# KiCad board HW.ACIM-PSU.kicad_pcb
title: POWER FACTOR CORRECTION BOARD; date: 2024-02-20; rev: 0.0; company: TON DUC THANG UNIVERSITY; note: Schematic Designed by ...; note: PCB Designed by ...; note: Approved by ...
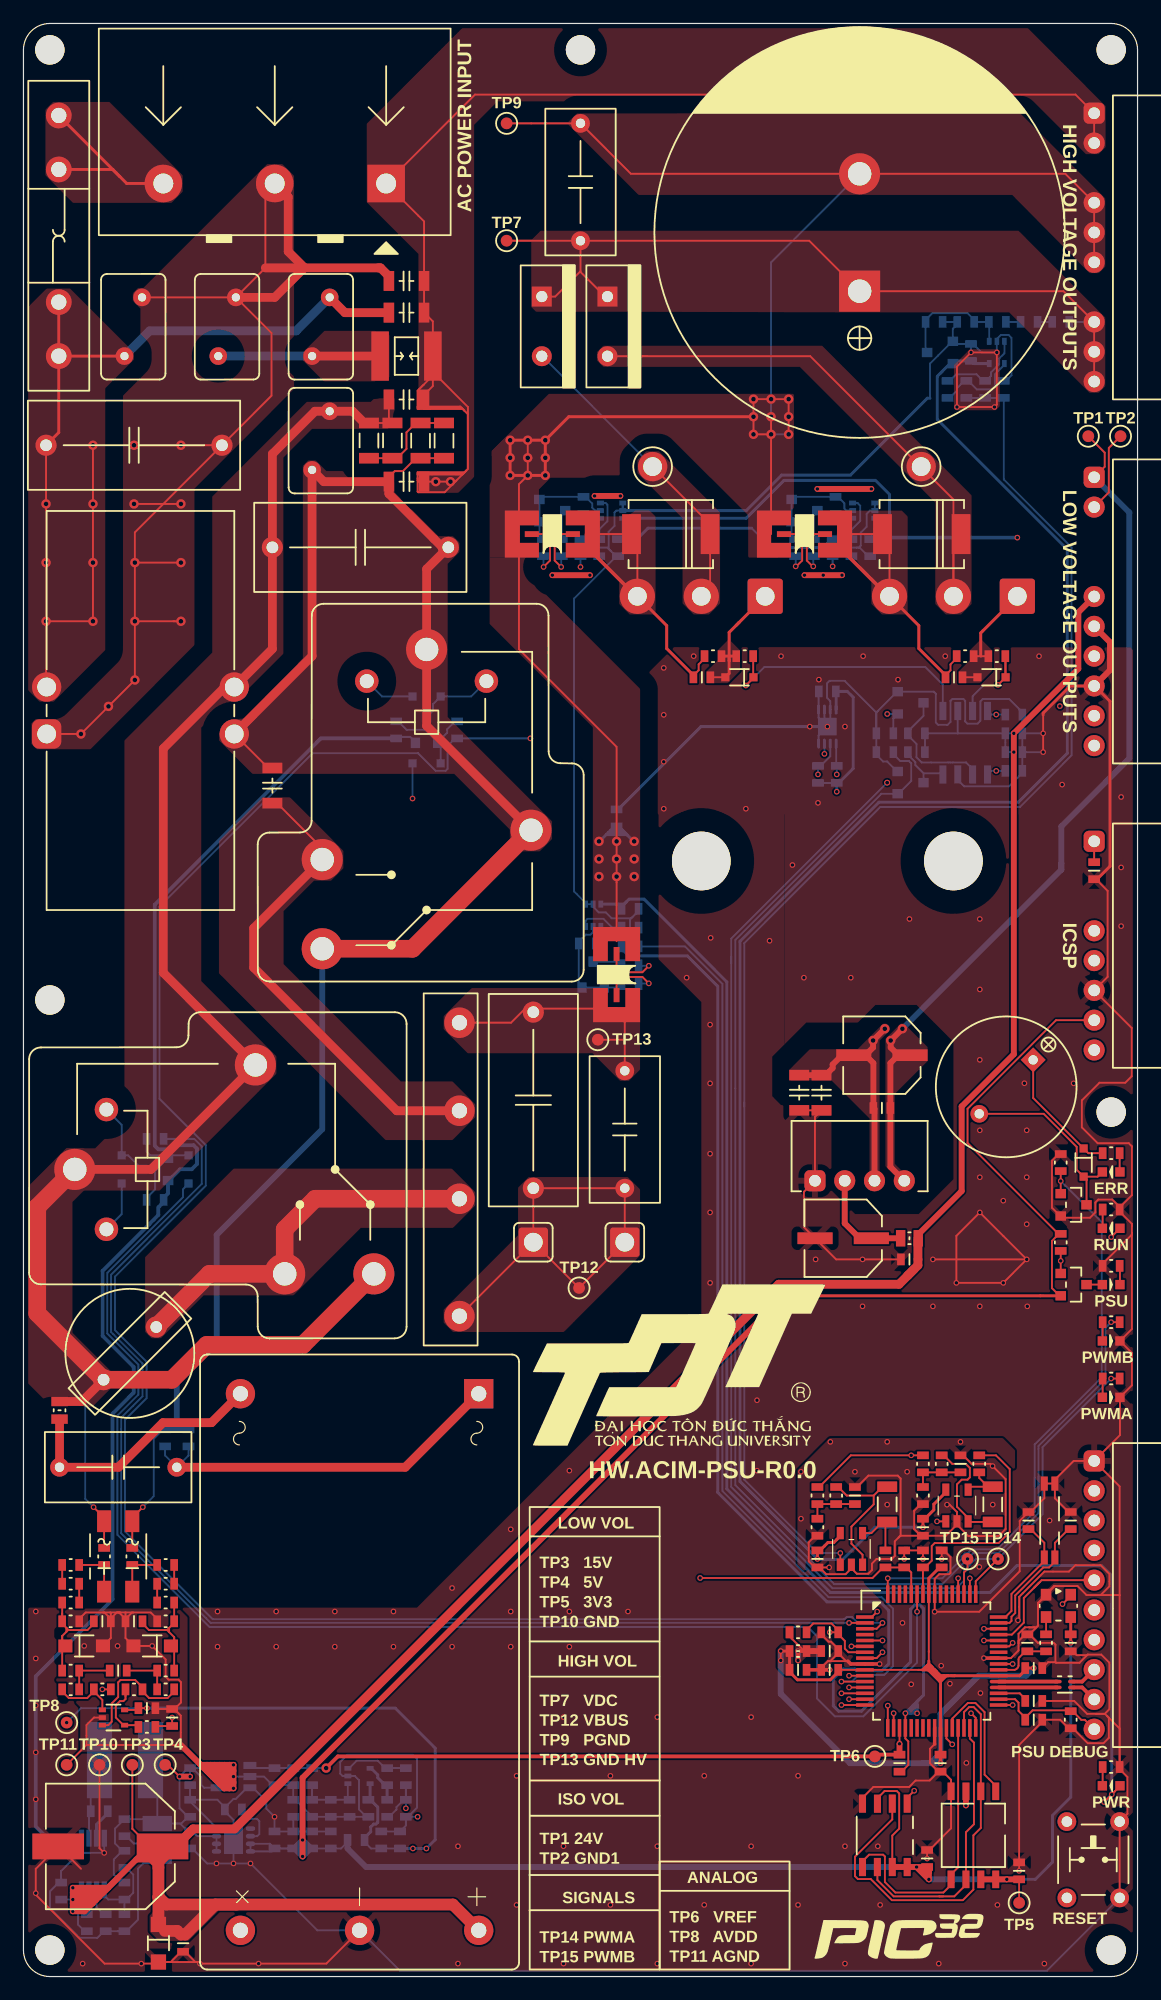
[diagram p0: board, top side]
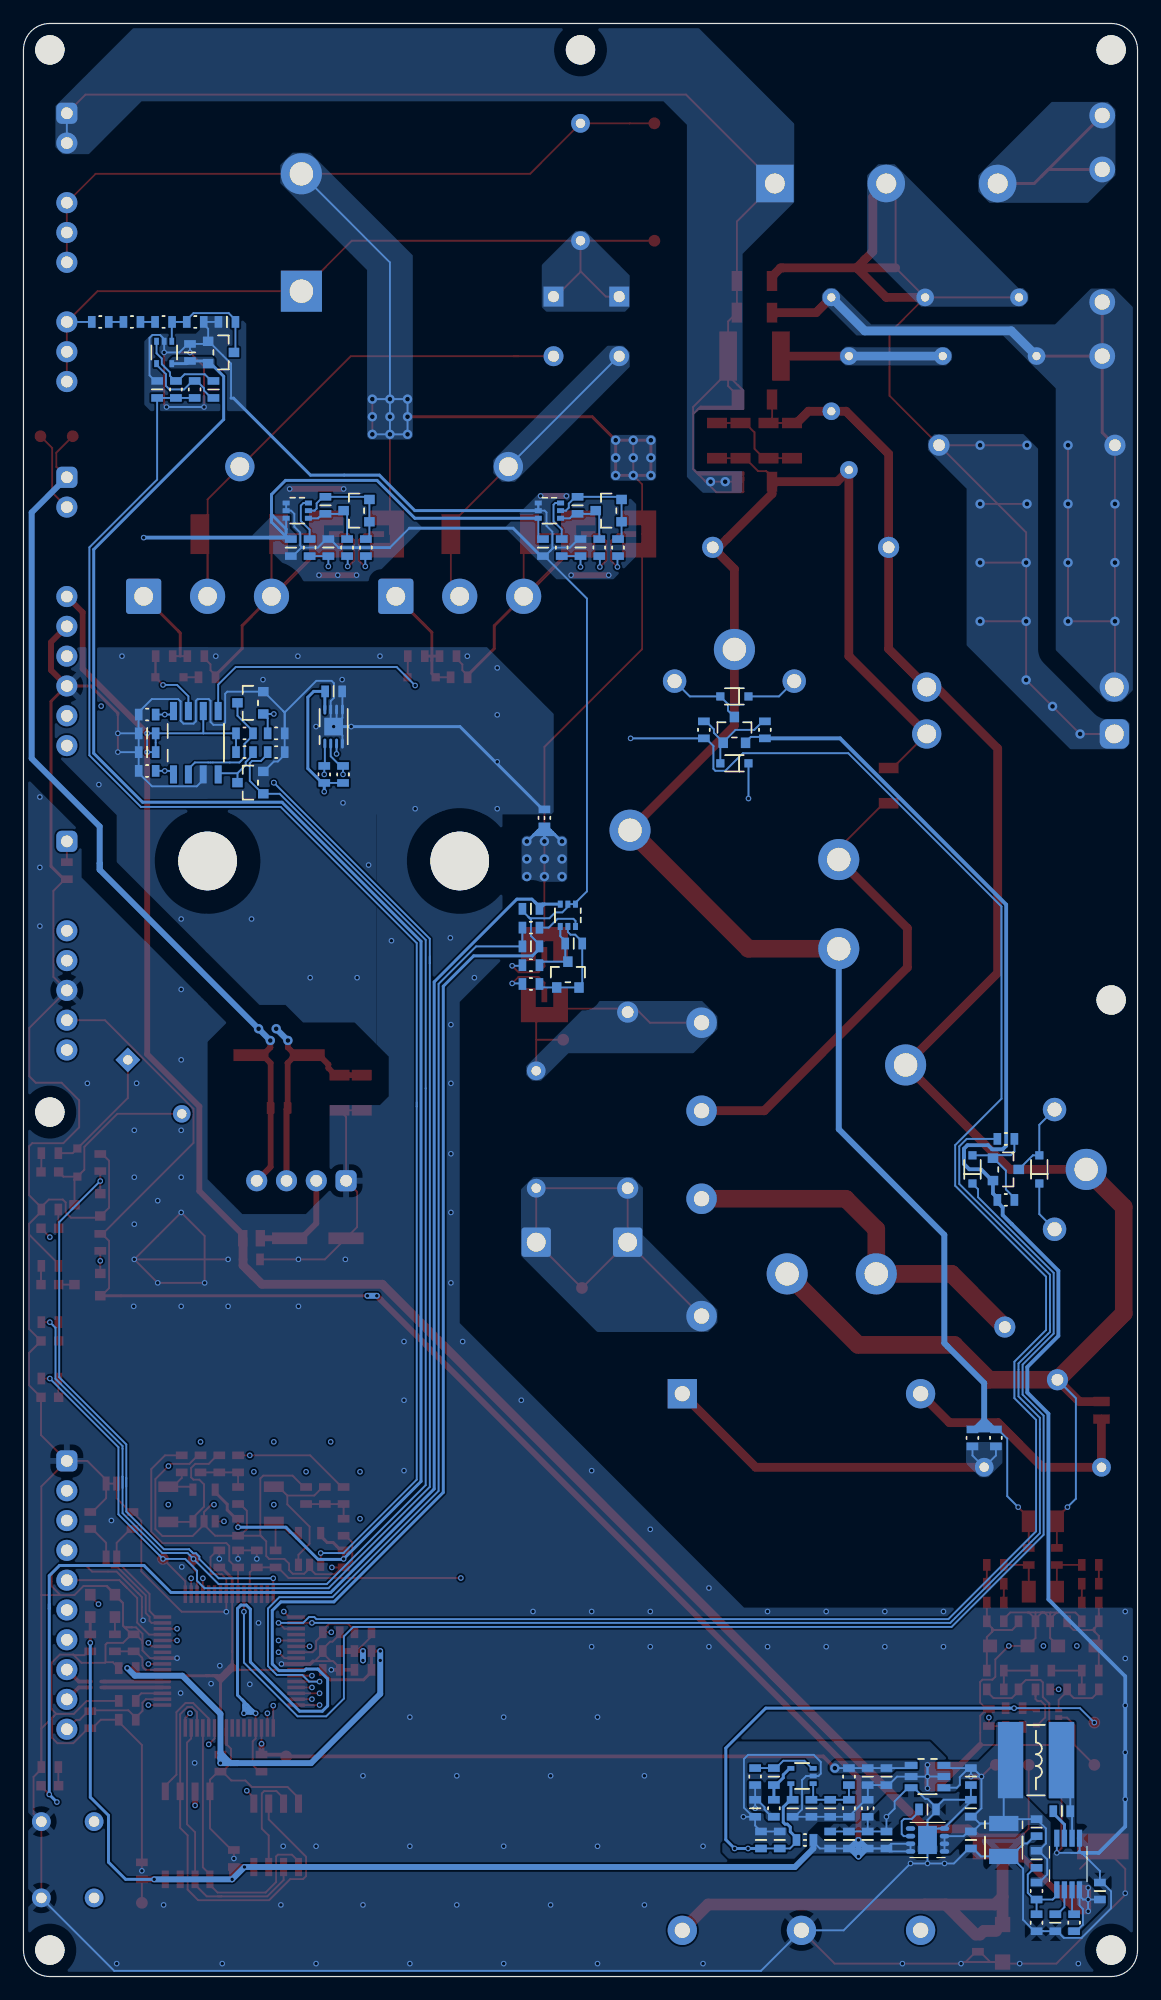
[diagram p1: board, bottom side, seen from below]

Outline 95 x 166.4 mm; copper layers: Top, In1.Cu, In2.Cu, Bottom. Coordinates in mm from the lower left corner of the outline.
Outline path: 0,164.15 0,2.25 arc(0.66,0.66) 2.25,0 92.75,0 arc(94.34,0.66) 95,2.25 95,164.15 arc(94.34,165.74) 92.75,166.4 2.25,166.4 arc(0.66,165.74) 0,164.15
Stack: Top 0.035mm / dielectric 0.1mm FR4 er 4.5 / In1.Cu 0.035mm / dielectric 1.24mm FR4 er 4.5 / In2.Cu 0.035mm / dielectric 0.1mm FR4 er 4.5 / Bottom 0.035mm

## Placement (name value [footprint] x y rotation side)
B1  220V/50W  [LAMP_6.35MM]  9.08 53.09 45 top
BR1  400V/10A  [GBJ25xx]  37.18 68.77 90 top
BR2  400V/0.5A  [MBF]  8.08 35.79 180 top  (not fitted)
BT1  RESET  [BUTTON_4P_6x6]  91.22 9.95 90 top  (not fitted)
BZ1  BUZZER  [AT-1224]  83.8 75.8 225 top  (not fitted)
C1  100nF/400V  [CAP_FILM_6.0x12.0x12.5-P10]  8.08 43.39 180 top
C2  1uF/400V  [ECWFE2W105]  9.43 130.47 180 top
C3  100pF/2kV  [CAP1206]  32.66 144.46 0 top
C4  100nF  [CAP0603]  13.61 2.83 90 top
C5  100pF/2kV  [CAP1206]  32.66 141.76 0 top
C6  470uF  [CAP_ELEC-10.3x10.3-DIA10]  7.41 11.08 180 top
C7  100pF/2kV  [CAP1206]  32.66 134.36 0 top
C8  10uF  [CAP0603]  7.01 4.58 90 bottom
C9  100nF  [CAP0603]  75.55 61.1 0 top
C10  47uF/35V  [CAP_ELEC-6.6x6.6-DIA6.3]  69.9 62.9 180 top
C11  1uF/400V  [ECWFE2W105]  28.73 121.77 180 top
C12  100pF/2kV  [CAP1206]  32.66 127.36 0 top
C13  100nF  [CAP0603]  6.46 14.08 0 bottom
C14  100pF/2kV  [CAP1206]  66.15 75.3 90 top
C15  100pF/2kV  [CAP1206]  68.05 75.3 90 top
C16  100nF  [CAP0603]  73.2 74 0 top
C17  100nF  [CAP0603]  8.61 12.69 90 bottom
C18  47uF/35V  [CAP_ELEC-6.6x6.6-DIA6.3]  73.2 78.5 180 top
C19  220uF/6.3V  [CAP1411]  11.41 11.63 270 bottom
C20  100nF  [CAP0603]  14.21 11.63 90 bottom  (not fitted)
C21  100pF/2kV  [CAP1206]  21.23 101.47 270 top  (not fitted)
C22  22pF  [CAP0603]  14.21 14.33 270 bottom  (not fitted)
C23  100nF  [CAP0603]  14.21 17.03 90 bottom  (not fitted)
C24  100nF  [CAP0603]  17.91 14.23 0 bottom  (not fitted)
C25  100nF  [CAP0603]  21.41 11.63 270 bottom  (not fitted)
C26  100nF  [CAP0603]  21.41 17.03 90 bottom  (not fitted)
C27  10uF  [CAP0603]  23.01 11.63 270 bottom  (not fitted)
C28  100nF/400V  [CAP_FILM_6.0x12.0x12.5-P10]  51.28 72.17 270 top
C29  10uF  [CAP0603]  23.01 17.03 90 bottom  (not fitted)
C30  3.3nF  [CAP0603]  24.61 11.63 270 bottom  (not fitted)
C31  22pF  [CAP0603]  26.21 11.63 270 bottom  (not fitted)
C32  3.3nF  [CAP0603]  8.61 9.98 90 bottom
C33  22pF  [CAP0603]  32.11 11.63 270 bottom  (not fitted)
C34  10uF  [CAP0603]  30.51 11.63 270 bottom  (not fitted)
C35  1uF/400V  [ECWFE2W105]  43.48 74.67 270 top
C36  1nF  [CAP0603]  57.85 110.69 0 top  (not fitted)
C37  100nF  [CAP0603]  68.55 109.49 0 bottom  (not fitted)
C38  100nF  [CAP0603]  3.21 7.28 270 bottom
C40  1nF  [CAP0603]  79.35 110.69 0 top  (not fitted)
C41  100nF  [CAP0603]  84.45 104.32 180 bottom  (not fitted)
C42  10uF  [CAP0603]  84.45 105.92 180 bottom  (not fitted)
C43  100nF/400V  [CAP_FILM_6.0x12.0x12.5-P10]  47.5 152.89 270 top
C44  680uF/450V  [ESMQ451VSN681MA50S]  71.3 148.59 90 top
C45  22pF  [CAP0603]  26.21 14.33 90 bottom  (not fitted)
C46  100nF  [CAP0603]  27.81 14.33 90 bottom  (not fitted)
C47  1nF  [CAP0603]  47.75 125.34 90 bottom  (not fitted)
C48  1nF  [CAP0603]  48.08 88.02 180 bottom  (not fitted)
C49  100nF  [CAP0603]  50.7 121.74 90 bottom  (not fitted)
C50  100nF  [CAP0603]  51.73 90.97 180 bottom  (not fitted)
C51  100nF  [CAP0603]  29.41 14.33 90 bottom  (not fitted)
C52  1nF  [CAP0603]  31.01 17.03 270 bottom  (not fitted)
C53  3.3nF  [CAP0603]  6.73 30.27 180 top  (not fitted)
C54  3.3nF  [CAP0603]  9.43 30.27 0 top  (not fitted)
C55  1uF  [CAP0603]  32.61 14.33 90 bottom  (not fitted)
C56  10nF  [CAP0603]  8.08 26.07 180 top  (not fitted)
C57  1nF  [CAP0603]  47.5 121.74 270 bottom  (not fitted)
C58  1nF  [CAP0603]  51.73 87.77 0 bottom  (not fitted)
C59  100nF  [CAP0603]  10.53 22.87 180 top  (not fitted)
C60  1nF  [CAP0603]  69.25 125.34 90 bottom  (not fitted)
C61  1nF  [CAP0603]  12.68 22.07 270 top  (not fitted)
C62  100nF  [CAP0603]  72.2 121.74 90 bottom  (not fitted)
C63  1nF  [CAP0603]  69 121.74 270 bottom  (not fitted)
C64  100nF  [CAP0603]  79.9 43.68 270 top  (not fitted)
C65  100nF  [CAP0603]  70.9 40.98 270 top  (not fitted)
C66  100nF  [CAP0603]  77.65 140.97 0 bottom  (not fitted)
C67  100nF  [CAP0603]  80.8 138.37 270 bottom  (not fitted)
C68  100nF  [CAP0603]  76.7 38.28 90 top  (not fitted)
C69  100nF  [CAP0603]  67.7 35.58 90 top  (not fitted)
C70  1nF  [CAP0603]  78.8 135.22 270 bottom  (not fitted)
C71  100nF  [CAP0603]  83.6 135.22 90 bottom  (not fitted)
C72  1nF  [CAP0603]  76.7 35.58 270 top  (not fitted)
C73  1nF  [CAP0603]  75.1 35.58 270 top  (not fitted)
C74  22pF  [CAP0603]  91.3 94.22 90 top  (not fitted)
C75  22pF  [CAP0603]  68.75 29.33 0 top  (not fitted)
C76  100nF  [CAP0603]  84.9 9 270 top  (not fitted)
C77  100nF  [CAP0603]  77.06 10.05 270 top  (not fitted)
C78  100nF  [CAP0603]  78.3 35.58 270 top  (not fitted)
C79  100nF  [CAP0603]  86.15 23.48 180 top  (not fitted)
C80  100nF  [CAP0603]  74.7 18.18 90 top  (not fitted)
C81  22pF  [CAP0603]  86.15 21.88 180 top  (not fitted)
C82  100nF  [CAP0603]  86.15 26.28 180 top  (not fitted)
C83  100nF  [CAP0603]  78.2 18.18 90 top  (not fitted)
C84  22pF  [CAP0603]  85.6 28.43 270 top  (not fitted)
C85  10uF  [CAP0603]  68.75 26.13 0 top  (not fitted)
C86  22pF  [CAP0603]  66.05 26.13 180 top  (not fitted)
C87  22pF  [CAP0603]  68.75 27.73 180 top  (not fitted)
C88  9pF  [CAP0603]  85.7 38.85 270 top  (not fitted)
C89  9pF  [CAP0603]  89.3 38.85 270 top  (not fitted)
C90  100nF  [CAP0603]  89.3 28.43 90 top  (not fitted)
D1  16V  [SOD-123FL_12]  11.51 2.83 270 top
D2  75V/150mA  [SOD-323]  34.38 103.37 0 bottom  (not fitted)
D3  75V/150mA  [SOD-323]  34.38 109.07 0 bottom  (not fitted)
D4  75V/150mA  [SOD-323]  14.08 68.77 90 bottom
D5  75V/150mA  [SOD-323]  8.38 68.77 90 bottom
D6  75V/150mA  [SOD-323]  61.05 110.69 180 top  (not fitted)
D7  5A/650V  [DO-214AB]  55.2 122.89 180 top  (not fitted)
D8  15A/600V  [TO-220]  44.2 140.59 270 top  (not fitted)
D9  75V/150mA  [SOD-323]  82.55 110.69 180 top  (not fitted)
D10  5A/650V  [DO-214AB]  76.6 122.89 180 top  (not fitted)
D11  15A/600V  [TO-220]  49.8 140.59 270 top  (not fitted)
D12  GP DIODE  [SOT23]  45.1 124.89 90 bottom  (not fitted)
D13  GP DIODE  [SOT23]  48.58 85.37 180 bottom  (not fitted)
D14  3V  [SOD-123]  5.18 28.17 0 top  (not fitted)
D15  3V  [SOD-123]  10.98 28.17 180 top  (not fitted)
D16  GP DIODE  [SOT23]  66.6 124.89 90 bottom  (not fitted)
D17  GP DIODE  [SOT23]  78.15 138.37 270 bottom  (not fitted)
D18  PSU  [LED0603]  92.75 58.95 180 top  (not fitted)
D19  75V/150mA  [SOD-323]  90.4 69.35 270 top  (not fitted)
D20  ERR  [LED0603]  92.75 68.55 0 top  (not fitted)
D21  RUN  [LED0603]  92.75 63.75 0 top  (not fitted)
D22  PWR  [LED0603]  92.75 16.25 0 top
D23  PWMA  [LED0603]  92.75 49.35 180 top  (not fitted)
D24  PWMB  [LED0603]  92.75 54.15 180 top  (not fitted)
F1  10A  [01000056Z]  3.01 148.31 270 top
FT1  4.5mH/10A  [ToroidCoil-3119-13-D1]  9.98 107.87 90 top
FT2  120R@100MHz  [FT0603]  23.01 14.33 270 bottom
FT3  120R@100MHz  [FT0603]  50.58 98.72 270 bottom
FT4  120R@100MHz  [FT0603]  28.36 11.63 0 bottom  (not fitted)
FT5  2x 120R@100MHz  [IND1210_4P]  88.8 24.88 0 top  (not fitted)
FT6  120R@100MHz  [FT0603]  66.05 27.73 180 top  (not fitted)
G1  300V  [GDT1812_3532]  32.66 138.06 180 top
G***  -  [LOGO]  55.9 52.08 0 top
G***#2  -  [LOGO]  74.67 3.5 0 top
J1  AC POWER INPUT  [TMB3_9.5]  21.43 152.77 180 top
J2  HIGH VOLTAGE OUTPUTS  [HDF1x10x2.54_TH_RA]  91.3 147.32 270 top
J3  ICSP  [HDM1x8x2.54_TH_RA]  91.3 87.83 270 top  (not fitted)
J4  LOW VOLTAGE OUTPUTS  [HDF1x10x2.54_TH_RA#2]  91.3 116.3 270 top
J5  PSU DEBUG  [HDM1x10x2.54_TH_RA]  91.3 32.5 270 top  (not fitted)
J6  L01  [PAD01-2516#3]  43.48 62.57 0 top
J7  L02  [PAD01-2516#2]  76.55 128.64 0 top
J8  L01  [PAD01-2516]  51.33 62.57 0 top
J9  L02  [PAD01-2516#2]  53.65 128.64 0 top
L1  4.7uH/100mA  [IND0805]  3.08 48.24 270 top
L2  4.7uH/100mA  [IND0805]  75.55 62.9 180 top
L3  22uH/1.5A  [IND6045]  8.66 18.44 270 bottom
M1  470V/1.2kA  [MOV5MM]  9.36 140.56 270 top
M2  470V/1.2kA  [MOV5MM]  17.36 140.56 90 top
M3  470V/1.2kA  [MOV5MM]  25.36 140.56 90 top
M4  470V/1.2kA  [MOV5MM]  25.36 130.86 90 top
MD1  15V/10W  [LD10-23BxxR2-RC]  28.66 26.79 270 top
MD2  DC-DC  [B1524S-1WR3]  71.3 67.8 0 top
NOREF  -  [unnamed]  92.75 73.65 0 top
NOREF#2  -  [unnamed]  2.25 164.15 0 top
NOREF#3  -  [unnamed]  2.25 2.25 0 top
NOREF#4  -  [unnamed]  47.5 164.15 0 top
NOREF#5  -  [unnamed]  92.75 164.15 0 top
NOREF#6  -  [unnamed]  2.25 83.2 0 top
NOREF#7  -  [unnamed]  92.75 2.25 0 top
Q1  20V/1A  [SOT23]  34.38 106.22 180 bottom  (not fitted)
Q2  20V/1A  [SOT23]  11.23 68.77 270 bottom
Q3  40A/650V  [TO-218AC-HF]  57.8 117.59 0 bottom  (not fitted)
Q4  20V/1A  [SOT23]  75.65 108.52 90 bottom  (not fitted)
Q5  20V/1A  [SOT23]  75.65 101.72 90 bottom  (not fitted)
Q6  40A/650V  [TO-218AC-HF]  79.3 117.59 0 bottom  (not fitted)
Q7  20V/1A  [SOT23]  89.55 58.95 270 top  (not fitted)
Q8  20V/1A  [SOT23]  89.55 65.75 270 top  (not fitted)
R1  10R  [RES0603]  12.08 45.89 90 bottom
R2  10R  [RES0603]  14.08 45.89 90 bottom
R3  100K  [RES0603]  5.41 4.58 270 bottom
R4  1M  [RES1206]  29.46 130.86 90 top
R5  100K, 1%  [RES0603]  8.61 7.28 90 bottom
R6  10K, 1%  [RES0603]  8.61 4.58 90 bottom
R7  1M  [RES1206]  31.46 130.86 90 top
R8  1M  [RES1206]  35.86 130.86 270 top
R9  1M  [RES1206]  33.86 130.86 270 top
R10  10K  [RES0603]  36.98 106.22 90 bottom  (not fitted)
R11  100K  [RES0603]  31.78 106.22 270 bottom  (not fitted)
R12  10K  [RES0603]  11.23 71.37 180 bottom  (not fitted)
R13  100K  [RES0603]  11.23 66.17 0 bottom
R14  10K  [RES0603]  69.35 102.42 270 bottom  (not fitted)
R15  5mR/3W/1%  [SHU2512]  50.58 85.37 90 top
R16  10K  [RES0603]  67.75 102.42 270 bottom  (not fitted)
R17  10R  [RES0603]  61.5 112.49 0 top  (not fitted)
R18  10K  [RES0603]  58.8 112.49 180 top  (not fitted)
R19  10mR/3W/1%  [SHU2512]  45.1 122.89 0 top  (not fitted)
R20  100K  [RES0603]  73.45 105.92 180 bottom  (not fitted)
R21  1.1K  [RES0603]  76.15 105.92 180 bottom  (not fitted)
R22  100K  [RES0603]  73.45 104.32 180 bottom  (not fitted)
R23  1.1K  [RES0603]  76.15 104.32 180 bottom  (not fitted)
R24  10K  [RES0603]  84.45 102.72 180 bottom  (not fitted)
R25  10R  [RES0603]  83 112.49 0 top  (not fitted)
R26  10K  [RES0603]  84.45 107.52 180 bottom  (not fitted)
R27  10K  [RES0603]  80.3 112.49 180 top  (not fitted)
R28  5mR/3W/1%  [SHU2512]  66.6 122.89 0 top  (not fitted)
R29  100K  [RES0603]  24.61 17.03 90 bottom  (not fitted)
R30  100K  [RES0603]  24.61 14.33 90 bottom  (not fitted)
R31  0R  [RES0603]  6.88 35.79 90 top  (not fitted)
R32  DNM  [RES0603]  9.28 35.79 90 top  (not fitted)
R33  10R  [RES0603]  44.3 121.74 270 bottom  (not fitted)
R34  10R  [RES0603]  45.9 121.74 270 bottom  (not fitted)
R35  10R  [RES0603]  51.73 84.57 0 bottom  (not fitted)
R36  10R  [RES0603]  51.73 86.17 0 bottom  (not fitted)
R37  100K  [RES0603]  4.03 35.07 180 top  (not fitted)
R38  100K  [RES0603]  12.13 35.07 0 top  (not fitted)
R39  100K  [RES0603]  4.03 33.47 0 top  (not fitted)
R40  100K  [RES0603]  12.13 33.47 180 top  (not fitted)
R41  100K  [RES0603]  4.03 31.87 180 top  (not fitted)
R42  100K  [RES0603]  12.13 31.87 0 top  (not fitted)
R43  1.1K  [RES0603]  4.03 30.27 0 top  (not fitted)
R44  1.1K  [RES0603]  12.13 30.27 180 top  (not fitted)
R45  10R  [RES0603]  31.01 14.33 90 bottom  (not fitted)
R46  1.1K  [RES0603]  32.61 17.03 270 bottom  (not fitted)
R47  10R  [RES0603]  49.1 121.74 270 bottom  (not fitted)
R48  10R  [RES0603]  51.73 89.37 0 bottom  (not fitted)
R49  1.1K  [RES0603]  4.03 26.07 180 top  (not fitted)
R50  1.1K  [RES0603]  12.13 26.07 0 top  (not fitted)
R51  39.2K  [RES0603]  4.03 24.47 0 top  (not fitted)
R52  39.2K  [RES0603]  12.13 24.47 180 top  (not fitted)
R53  40.2K  [RES0603]  6.73 24.47 180 top  (not fitted)
R54  40.2K  [RES0603]  9.43 24.47 0 top  (not fitted)
R55  10R  [RES0603]  65.8 121.74 270 bottom  (not fitted)
R56  10R  [RES0603]  67.4 121.74 270 bottom  (not fitted)
R57  10R  [RES0603]  10.53 21.27 0 top  (not fitted)
R58  10R  [RES0603]  70.6 121.74 270 bottom  (not fitted)
R59  10K  [RES0603]  76.7 43.68 90 top  (not fitted)
R60  470K  [RES0603]  76.7 40.98 90 top  (not fitted)
R61  100K  [RES0603]  67.7 40.98 90 top  (not fitted)
R62  100K  [RES0603]  67.7 38.28 90 top  (not fitted)
R63  100K  [RES0603]  88.45 140.97 180 bottom  (not fitted)
R64  100K  [RES0603]  85.75 140.97 180 bottom  (not fitted)
R65  100K  [RES0603]  83.05 140.97 180 bottom  (not fitted)
R66  1.1K  [RES0603]  80.35 140.97 180 bottom  (not fitted)
R67  1.1K  [RES0603]  78.3 43.68 270 top  (not fitted)
R68  1.1K  [RES0603]  69.3 40.98 270 top  (not fitted)
R69  1M  [RES1206]  82.65 40.23 270 top  (not fitted)
R70  1M  [RES1206]  73.65 40.23 90 top  (not fitted)
R71  10R  [RES0603]  81.5 43.68 90 top  (not fitted)
R72  10R  [RES0603]  73.5 35.58 270 top  (not fitted)
R73  10R  [RES0603]  80.4 135.22 90 bottom  (not fitted)
R74  1.1K  [RES0603]  82 135.22 270 bottom  (not fitted)
R75  100K  [RES0603]  88.45 62.55 270 top  (not fitted)
R76  10K  [RES0603]  66.05 29.33 0 top  (not fitted)
R77  1.1K  [RES0603]  92.75 60.55 0 top  (not fitted)
R78  1.1K  [RES0603]  92.75 70.15 180 top  (not fitted)
R79  100K  [RES0603]  88.45 69.35 90 top  (not fitted)
R80  1.1K  [RES0603]  92.75 65.35 0 top  (not fitted)
R81  1.1K  [RES0603]  92.75 17.85 0 top
R82  100K  [RES0603]  89.3 21.88 270 top  (not fitted)
R83  0R  [RES0603]  87.2 28.43 90 top  (not fitted)
R84  1.1K  [RES0603]  92.75 50.95 0 top  (not fitted)
R85  1.1K  [RES0603]  92.75 55.75 0 top  (not fitted)
RL1  5V/30A  [SLA-12VDC-SL-C]  34.38 112.87 180 top  (not fitted)
RL2  5V/30A  [SLA-12VDC-SL-C]  4.58 68.77 270 top
TP1  24V  [TP1MM]  90.8 131.24 0 top
TP2  GND1  [TP1MM]  93.55 131.24 0 top
TP3  15V  [TP1MM]  9.29 18.03 0 top
TP4  5V  [TP1MM]  12.09 18.03 0 top
TP5  3V3  [TP1MM]  84.9 6.28 0 top
TP6  VREF  [TP1MM]  72.6 18.75 0 top
TP7  VDC  [TP1MM]  41.2 147.89 0 top
TP8  AVDD  [TP1MM]  3.69 21.63 0 top
TP9  PGND  [TP1MM]  41.2 157.89 0 top
TP10  GND  [TP1MM]  6.49 18.03 0 top
TP11  AGND  [TP1MM]  3.69 18.03 0 top
TP12  VBUS  [TP1MM]  47.38 58.67 0 top
TP13  GND_HV  [TP1MM]  48.98 79.82 0 top
TP14  PWMA  [TP1MM]  83.1 35.58 0 top
TP15  PWMB  [TP1MM]  80.5 35.58 0 top
U1  Buck 5V/1.5A  [MSOP8_MCHP]  5.91 9.58 180 bottom
U2  LDO 3.3V/1.5A  [DFN8_3x3_MCHP]  17.91 11.63 90 bottom  (not fitted)
U3  LDO 3.3V/20mA  [SOT-23-6_MCHP]  17.91 17.03 270 bottom  (not fitted)
U4  Slave Addr 0x48  [TDFN8_2x3_MCHP]  68.55 106.5 180 bottom  (not fitted)
U5  IGBT Driver  [SOIC8_3.9_MCHP]  80.3 105.12 180 bottom  (not fitted)
U6  OP-1CH  [SOT353]  28.61 17.08 0 bottom  (not fitted)
U7  ISEN 50mV/V  [SOT363]  50.15 124.89 270 bottom  (not fitted)
U8  ISEN 50mV/V  [SOT363]  48.58 90.42 0 bottom  (not fitted)
U9  OP-1CH  [SOT353]  7.68 22.07 0 top  (not fitted)
U10  ISEN 50mV/V  [SOT363]  71.65 124.89 270 bottom  (not fitted)
U11  OP-1CH  [SOT353]  83 138.37 270 bottom  (not fitted)
U12  CMP-1CH  [SOT25_DIODES]  79.6 40.13 0 top  (not fitted)
U13  CMP-1CH  [SOT25_DIODES]  70.6 36.43 0 top  (not fitted)
U14  MIPS 32-bit DSC  [TQFP64_10x10_MCHP]  77.45 26.88 0 top  (not fitted)
U15  256Kbit EEPROM  [SOIC8_3.9_MCHP]  73.45 12.03 180 top  (not fitted)
U16  128Mbit Flash  [SO8W_5.3]  81 12.03 270 top  (not fitted)
U17  12MHz (3225)  [CDFN3225-4LD-PL-1]  88.25 31.58 270 top  (not fitted)
X1  32.768kHz  [SMD4-7015]  87.5 38.85 90 top  (not fitted)

## Library data of the parts
B1 = -: Description: HALOGEN LAMP 220V/50W; MNP: 1609954437_VNAMZ-6936739394; Checked: OK
BR1 = -: Description: BRIDGE RECT 1PHASE 1KV 25A GBJ; MNP: GBJ2510; MFT: SMC; Unit Price: 1.32; Checked: OK
BR2 = -: Description: BRIDGE RECT 1PHASE 1KV 500MA MBF; MNP: MB10F; MFT: SMC; Unit Price: 0.29; Checked: OK
BT1 = -: Description: SWITCH TACTILE 6x6x17MM SPST-NO 0.05A 12V; MFT: CUI; MNP: TS02-66-170-BK-160-SCR-D; Checked: OK
BZ1 = -: Description: BUZZER MAGNETIC 5V 12MM TH; MNP: AT-1224-TWT-5V-2-R; MFT: PUI; Unit Price: 0.55; Checked: OK
C1 = -: Description: CAP FILM 0.1UF 20% 560VDC RADIAL; MNP: BFC233824104; MFT: VISHAY; Unit Price: 1.5; Checked: OK
C2 C11 = -: Description: CAP FILM 1UF 10% 450VDC RADIAL; MNP: ECW-FE2W105K; MFT: Panasonic; Unit Price: 0.72; Checked: OK
C3 C5 C7 C12 C14 C15 = -: Description: CAP CER 100PF 2000V X7R 1206; MNP: 885342208022; MFT: WE; Unit Price: 0.19; Checked: OK
C4 C9 C13 C17 C20 C26 C37 C38 = -: Description: CAP CER 0.1UF 50V X7R 0603; MNP: CL10B104KB8NNNC; MFT: Samsung; Unit Price: 0.0146; Checked: OK
C6 = -: Description: CAP ALUM POLY 470UF 20% 25V SMD; MNP: A768MS477M1ELAE017; MFT: KEMET; Unit Price: 0.85; Checked: OK
C8 C27 C34 C42 = -: Description: CAP CER 10UF 6.3V X5R 0603; MFT: Samsung; Unit Price: 0.079; MNP: CL10A106MQ8NNNC; Checked: OK
C10 C18 = -: Description: CAP ALUM POLY 47UF 20% 35V SMD; MNP: A768EB476M1VLAE042; MFT: KEMET; Unit Price: 0.45; Checked: OK
C16 C23-C25 C41 C46 C49-C51 C59 C62 C64-C69 C71 C76-C80 C82 C90 = -: Description: CAP CER 0.1UF 50V X7R 0603; MFT: Samsung; Unit Price: 0.0146; MNP: CL10B104KB8NNNC; Checked: OK
C19 = -: Description: CAP TANT 220UF 20% 6.3V 1411; MNP: TLJB227M006R0500; MFT: KAVX; Unit Price: 1.01; Checked: OK
C21 = -: Description: CAP CER 100PF 2000V X7R 1206; MFT: WE; Unit Price: 0.19; MNP: 885342208022; Checked: OK
C22 C33 C87 = -: Description: CAP CER 22PF 50V C0G/NP0 0603; MNP: 0603N220J500CT; MFT: Walsin; Unit Price: 0.012; Checked: OK
C28 C43 = -: Description: CAP FILM 0.1UF 20% 560VDC RADIAL; MFT: VISHAY; Unit Price: 1.5; MNP: BFC233824104; Checked: OK
C29 = -: Description: CAP CER 10UF 6.3V X5R 0603; MNP: CL10A106MQ8NNNC; MFT: Samsung; Unit Price: 0.079; Checked: OK
C30 C32 C53 C54 = -: Description: CAP CER 3.3nF 50V X7R 0603; MFT: Samsung; Unit Price: 0.031; MNP: CL10B332KB8NNNC; Checked: OK
C31 C45 C74 C75 C81 = -: Description: CAP CER 22PF 50V C0G/NP0 0603; MFT: Walsin; Unit Price: 0.012; MNP: 0603N220J500CT; Checked: OK
C35 = -: Description: CAP FILM 1UF 10% 450VDC RADIAL; MFT: Panasonic; Unit Price: 0.72; MNP: ECW-FE2W105K; Checked: OK
C36 C40 C47 C48 C52 C57 C58 C60 C61 C63 C70 C72 C73 = -: Description: CAP CER 1nF 50V X7R 0603; MFT: Samsung; Unit Price: 0.027; MNP: CL10B102KB8NNNC; Checked: OK
C44 = -: Description: CAP ALUM 680UF 20% 450V SNAP; MFT: Chemi-Con; Unit Price: 6.96; MNP: ESMQ451VSN681MA50S; Checked: OK
C55 = -: Description: CAP CER 1UF 25V X5R 0603; MFT: Samsung; Unit Price: 0.03; MNP: CL10A105KA8NNNC; Checked: OK
C56 = -: Description: CAP CER 10nF 50V X7R 0603; MFT: Samsung; Unit Price: 0.023; MNP: CL10B103KB8NNNC; Checked: OK
C83 = -: Description: CAP CER 0.1UF 50V X7R 0603; MNP: CL10B104KB8NNNC; Unit Price: 0.0146; MFT: Samsung; Checked: OK
C84 C86 = -: Description: CAP CER 22PF 50V C0G/NP0 0603; MNP: 0603N220J500CT; Unit Price: 0.012; MFT: Walsin; Checked: OK
C85 = -: Description: CAP CER 10UF 6.3V X5R 0603; MNP: CL10A106MQ8NNNC; Unit Price: 0.079; MFT: Samsung; Checked: OK
C88 = -: Description: CAP CER 9PF 50V C0G/NPO 0603; MNP: CC0603BRNPO9BN9R0; MFT: YAGEO; Unit Price: 0.074; Checked: OK
C89 = -: Description: CAP CER 9PF 50V C0G/NPO 0603; MFT: YAGEO; Unit Price: 0.074; MNP: CC0603BRNPO9BN9R0; Checked: OK
D1 = -: Description: TVS, UNI-DIR, 400W, 16V, ESGA; MNP: F4TVS16A; MFT: Good-Ark; Unit Price: 0.25; Checked: OK
D2-D6 D9 D19 = -: Description: DIODE GEN PURP 75V 150MA SOD323; MNP: 1N4148WX-TP; MFT: MCC; Unit Price: 0.068; Checked: OK
D7 D10 = -: Description: DIODE GEN PURP 1KV 5A SMC; MNP: S5M; MFT: Diotec; Unit Price: 0.38; Checked: OK
D8 D11 = -: Description: DIODE GP 600V 15A TO220; MNP: APT15DQ60KG; MFT: Microchip; Unit Price: 0.7; Checked: OK
D12 D13 = -: Description: DIODE ARRAY GP 75V 150MA SOT23; MNP: MMBD4148SE; MFT: ANBON; Unit Price: 0.11; Checked: OK
D14 D15 = -: Description: DIODE ZENER 3V 200MW SOD123; MNP: BZT52C3V0-TP; MFT: MCC; Unit Price: 0.12; Checked: OK
D16 D17 = -: Description: DIODE ARRAY GP 75V 150MA SOT23; MFT: ANBON; Unit Price: 0.11; MNP: MMBD4148SE; Checked: OK
D18 D24 = -: Description: LED BLUE CLEAR 0603 SMD; MFT: Harvatek; Unit Price: 0.1; MNP: B19Y1NB--20C000113U1930; Checked: OK
D20 = -: Description: LED RED DIFFUSED 0603 SMD; MNP: B1911USD-20D000114U1930; MFT: Harvatek; Unit Price: 0.1; Checked: OK
D21 = -: Description: LED GREEN DIFFUSED 0603 SMD; MNP: B1911NG--20D000214U1930; MFT: Harvatek; Unit Price: 0.1; Checked: OK
D22 D23 = -: Description: LED WHITE 0603 SMD; MFT: Harvatek; MNP: B1931TW--20P000314U1930; Checked: OK
F1 = -: Description: FUSE CLIP CARTRIDGE 250V 10A PCB; MNP: 01000056Z; MFT: Littelfuse; Unit Price: 0.41; Comment: x2 pcs; Checked: OK
FT1 = -: Description: FERRITE TOROID COIL 4.5mH/10A 40/24x15; MNP: CUSTOM 1; MFT: DIY; Unit Price: 4; Checked: OK
FT2-FT4 FT6 = -: Description: FERRITE BEAD 120 OHM 1A 0603 1LN; MFT: Pulse; Unit Price: 0.058; MNP: PE-0603PFB121ST; Checked: OK
FT5 = -: Description: CMF 1210 120OHM 300MA 2LN SMD; MNP: MCM1012B121F06BPDG; MFT: INPAQ; Unit Price: 0.087; Checked: OK
G1 = -: Description: GDT SMD 4532, 300V30% 2KA, REEL; MNP: 4532-301-LF; MFT: YAGEO; Unit Price: 0.53; Checked: OK
J1 = -: Description: CONN BARRIER STRIP 3CIRC 0.374"; MNP: YK4410303000G; MFT: Amphenol; Unit Price: 0.84; Checked: OK
J2 J4 J5 = -: Description: CONN HDR 10POS 0.1 TIN PCB R/A; MFT: Sullins; MNP: PPTC101LGBN-RC; Checked: OK
J3 = -: Description: CONN HEADER R/A 8POS 2.54MM; MFT: Sullins; MNP: PBC08SBAN; Checked: OK
L1 L2 = -: Description: FIXED IND 4.7UH 120MA 400MOHM SM; MNP: MCL2012V1-4R7-R; MFT: Eaton; Unit Price: 0.092; Checked: OK
L3 = -: Description: FIXED IND 22UH 1.9A 0.096OHM SMD; MNP: HPC 6045NV-220M; MFT: TAI-TECH; Unit Price: 0.26; Checked: OK
M1-M4 = -: Description: VARISTOR 470V 1.2KA DISC 7MM; MNP: MOV-07D471KTR; MFT: Bourns; Unit Price: 0.255; Checked: OK
MD1 = -: Description: ENCLOSED AC DC CONVERTER 10W 1 O; MNP: LD10-23B15R2-RC; MFT: Mornsun; Unit Price: 6.33; Checked: OK
MD2 = -: Description: DC DC CONVERTER 24V 1W; MFT: Mornsun; MNP: B1524S-1WR3; Checked: OK
Q1 Q2 Q4 Q5 Q8 = -: Description: MOSFET N-CH 20 V 1.6A SOT-23-3; MNP: DMN2310U-7; MFT: Diodes; Unit Price: 0.148; Checked: OK
Q3 Q6 = -: Description: TRENCH GATE FIELD-STOP IGBT, HB; MNP: STGWT40HP65FB; MFT: ST; Unit Price: 3.14; Checked: OK
Q7 = -: Description: MOSFET P-CH 20V 3.1A SOT23-3; MNP: SI2301CDS-T1-GE3; MFT: Vishay; Checked: OK
R1 R2 R17 R25 R33-R36 R45 R47 R48 R55-R58 R71-R73 = -: Description: RES 10 OHM 1% 1/10W 0603; MFT: YAGEO; Unit Price: 0.029; MNP: RC0603FR-0710RL; Checked: OK
R3 R5 R11 R13 R20 R22 R29 R30 R37-R42 R61-R65 R75 R79 R82 = -: Description: RES 100K OHM 1% 1/10W 0603; MFT: YAGEO; Unit Price: 0.019; MNP: RC0603FR-07100KL; Checked: OK
R4 R7-R9 R69 R70 = -: Description: RES 1M OHM 5% 1/4W 1206; MFT: Walsin; Unit Price: 0.02; MNP: WR12X105 JTL; Checked: OK
R6 R10 R12 R14 R16 R18 R24 R26 R27 R59 R76 = -: Description: RES 10K OHM 1% 1/10W 0603; MFT: YAGEO; Unit Price: 0.019; MNP: RC0603FR-0710KL; Checked: OK
R15 R28 = -: Description: RES 0.005 OHM 1% 3W 2512; MNP: MSMA2512R0050FGM; MFT: Eaton; Unit Price: 0.6; Checked: OK
R19 = -: Description: RES 0.01 OHM 1% 3W 2512; MNP: MSMA2512R0100FGN; MFT: Eaton; Unit Price: 0.6; Checked: OK
R21 R23 R43 R44 R46 R49 R50 R66-R68 R74 R77 R78 R80 R81 R84 R85 = -: Description: RES SMD 1.1K OHM 1% 1/10W 0603; MFT: YAGEO; Unit Price: 0.021; MNP: AC0603FR-071K1L; Checked: OK
R31 R32 R83 = -: Description: RES 0 OHM JUMPER 1/10W 0603; MFT: YAGEO; Unit Price: 0.015; MNP: RC0603JR-070RL; Checked: OK
R51 R52 = -: Description: RES 39.2K OHM 1% 1/10W 0603; MFT: YAGEO; Unit Price: 0.019; MNP: RC0603FR-0739K2L; Checked: OK
R53 R54 = -: Description: RES 40.2K OHM 1% 1/10W 0603; MFT: YAGEO; Unit Price: 0.019; MNP: RC0603FR-1340K2L; Checked: OK
R60 = -: Description: RES 470K OHM 1% 1/10W 0603; MFT: YAGEO; Unit Price: 0.019; MNP: RC0603FR-13470KL; Checked: OK
RL1 RL2 = -: Description: 5V 30A SPDT (1 Form C) 6 Plugin,27.6x32mm  Power Relays ROHS; Checked: OK; MNP: SLA-5VDC-SL-C; Unit Price: 0.8565; MFT: Songle
U1 = -: Description: IC REG BUCK ADJ 1A 8MSOP; MNP: MCP16311-E/MS; Comment: Vo=5.088V±2%/1.5A; MFT: Microchip; Unit Price: 1.8; Checked: OK
U2 = -: Description: IC REG LINEAR 3.3V 1.5A 8DFN; MNP: MCP1727-3302E/MF; Comment: Vo=3.3V±0.5%/1.5A; MFT: Microchip; Unit Price: 1.11; Checked: OK
U3 = -: Description: IC VREF SERIES 0.1% SOT23-6; MNP: MCP1501T-33E/CHY; Comment: Vo=3.3V±0.1%/20mA; MFT: Microchip; Unit Price: 1; Checked: OK
U4 = -: Description: SENSOR DIGITAL -55C-125C 8UDFN; MNP: AT30TS74-MA8M-T; MFT: Microchip; Unit Price: 0.82; Checked: OK
U5 = -: Description: IC GATE DRVR LOW-SIDE 8SOIC; MNP: MCP14E4T-E/SN; MFT: Microchip; Unit Price: 2.45; Checked: OK
U6 U9 U11 = -: Description: IC OPAMP GP 1 CIRCUIT SC88A; MNP: NCV21871SQ3T2G; MFT: Onsemi; Unit Price: 0.633; Checked: OK
U7 U8 U10 = -: Description: CM VOLTAGE OUTPUT SOT363 T&R 3K; MNP: ZXCT199QA1DW-7; MFT: Diodes; Unit Price: 0.079; Checked: OK
U12 U13 = -: Description: IC COMPARATOR 1 GEN PUR SOT25; MNP: AP331AWG-7; MFT: Diodes; Unit Price: 0.36; Checked: OK
U14 = -: Description: IC MCU 32BIT 1MB FLASH 64TQFP; MNP: PIC32MK1024MCM064-I/PT; MFT: Microchip; Unit Price: 10.07; Checked: OK
U15 = -: Description: IC EEPROM 256KBIT SPI 8SOIC; MNP: M95256-WMN6P; MFT: ST; Unit Price: 0.71; Comment: EEPROM; Checked: OK
U16 = -: Description: IC FLASH 128MBIT SPI/QUAD 8SOIC; MNP: W25Q128FVSG; MFT: Winbond; Unit Price: 1.053; Checked: OK; Comment: FLASH
U17 = -: Description: MEMS OSC XO 12.0000MHZ CMOS SMD; MNP: DSC1001CE1-012.0000; MFT: Microchip; Unit Price: 1.15; Checked: OK
X1 = -: Description: CRYSTAL 32.7680KHZ 12.5PF SMD; MNP: 32.768K12.5PI/6914E; MFT: YIC; Unit Price: 0.42; Checked: OK
